# Allegro board XS6-9.brd (continued)
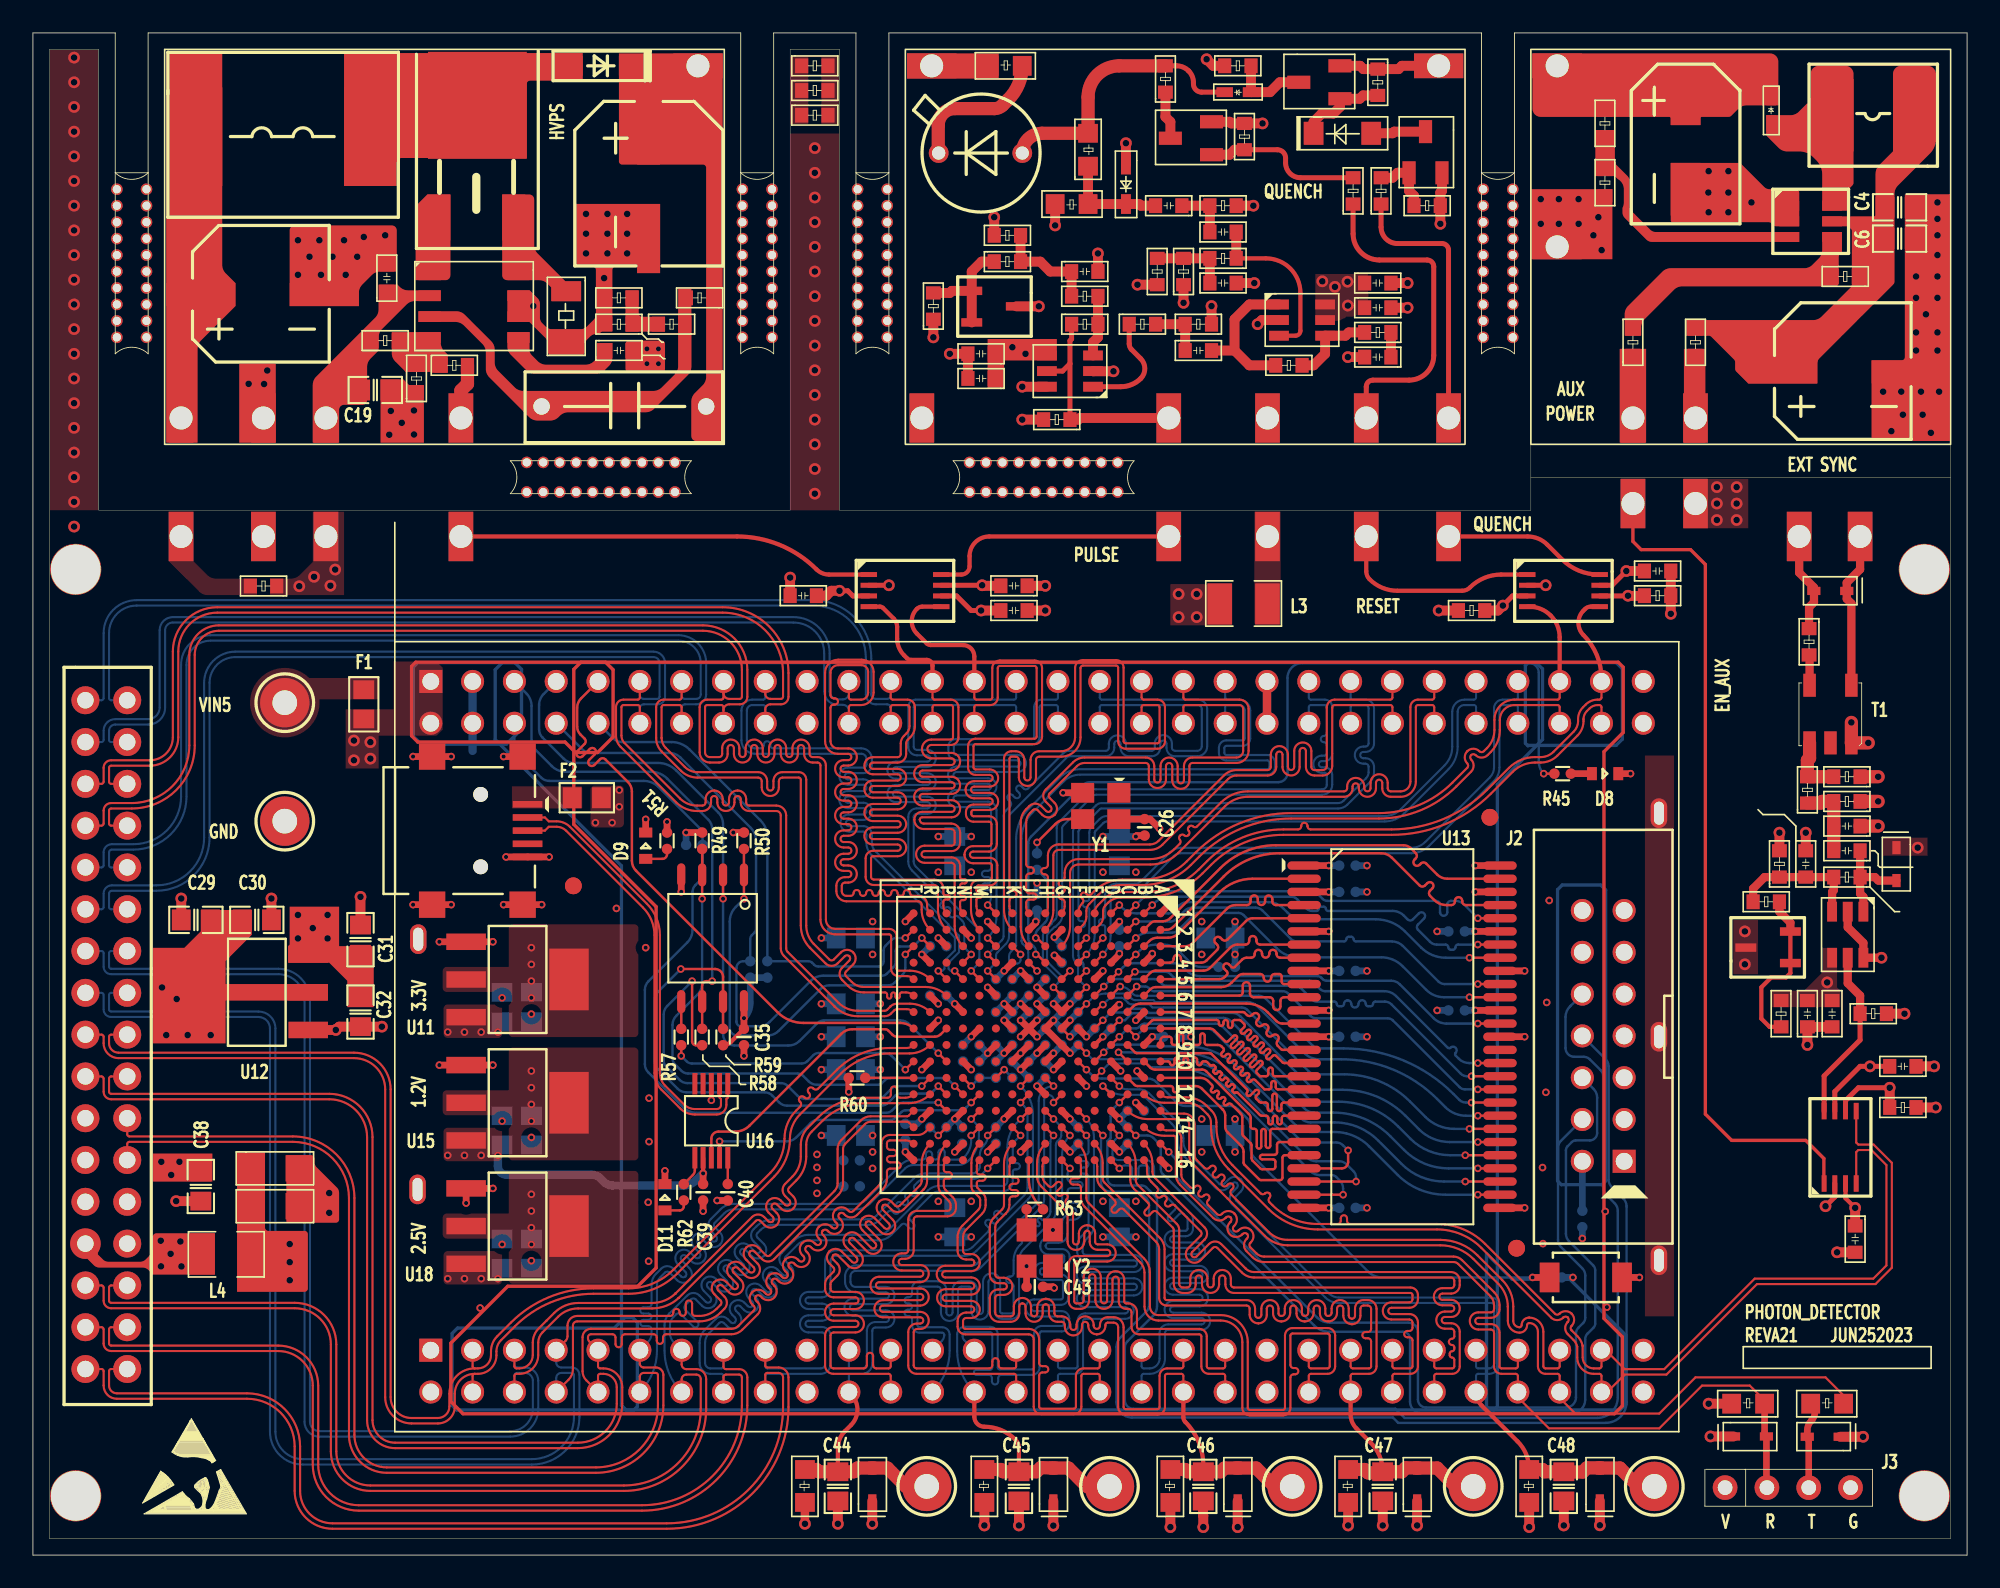
[diagram p0: board, top side]
## Routing (per net, layer and track width the routed paths; a pad name or vN(x,y) marks a point on that pad's centre or on a via; arc(x,y) is an arc through that point) (continued)
L16_L47N_1: length 93.4
  TOP w0.127: J6.13 39.41,11.59 arc(39.49,11.38) 39.7,11.3 40.3,11.3 arc(40.72,11.12) 40.9,10.7 40.9,8.9 arc(39.44,5.36) 35.9,3.9 20.5,3.9 arc(18.8,4.6) 18.1,6.3 18.1,12.8 arc(17.46,14.36) 15.9,15 4.75,15 arc(4.43,15.13) 4.29,15.46 4.29,16.26 arc(4.26,16.35) 4.17,16.39 J5.30
  TOP w0.147: U14.L16 v3(58,23.5)
  BOTTOM w0.127: v3(58,23.5) 57.49,22.99 arc(57.35,22.9) 57.18,22.86 54.23,22.86 arc(53.97,22.81) 53.75,22.67 53.57,22.49 arc(53.52,22.35) 53.57,22.22 53.65,22.14 arc(53.65,21.87) 53.38,21.87 53.3,21.95 arc(53.03,21.95) 53.03,21.68 53.12,21.6 arc(53.12,21.33) 52.85,21.33 52.76,21.41 arc(52.5,21.41) 52.5,21.14 52.58,21.06 arc(52.58,20.79) 52.31,20.79 52.23,20.87 arc(52.09,20.93) 51.96,20.87 51.47,20.38 arc(51.12,20.15) 50.71,20.07 44.96,20.07 arc(44.55,19.99) 44.2,19.75 44.01,19.57 arc(43.96,19.43) 44.01,19.3 44.4,18.91 arc(44.55,18.54) 44.4,18.18 arc(44.03,18.02) 43.66,18.18 43.28,18.56 arc(43.01,18.56) 43.01,18.29 43.39,17.91 arc(43.55,17.54) 43.39,17.17 43.39,17.17 arc(43.02,17.02) 42.66,17.17 42.27,17.56 arc(42,17.56) 42,17.29 42.39,16.9 arc(42.54,16.53) 42.39,16.16 42.39,16.16 arc(42.02,16.01) 41.65,16.16 41.26,16.55 arc(40.99,16.55) 40.99,16.28 41.38,15.89 arc(41.53,15.52) 41.38,15.16 arc(41.01,15) 40.64,15.16 40.26,15.54 arc(40.12,15.6) 39.99,15.54 39.63,15.18 arc(39.57,15.05) 39.63,14.91 40.37,14.16 arc(40.37,13.89) 40.1,13.89 39.36,14.64 arc(39.22,14.7) 39.09,14.64 38.91,14.46 arc(38.75,14.23) 38.7,13.96 38.7,13.49 arc(38.76,13.19) 38.93,12.93 J6.13
M1_L35N_3: length 46.1
  TOP w0.127: J4.27 57.19,52.11 arc(57.23,52.02) 57.32,51.98 58.16,51.98 arc(58.25,52.02) 58.28,52.11 58.28,53.9 arc(58.42,54.23) 58.74,54.36 60.85,54.36 arc(61.17,54.23) 61.3,53.9 61.3,49.74 arc(61.17,49.41) 60.85,49.28 57.27,49.28 arc(57.18,49.24) 57.14,49.15 57.14,47.87 arc(57.18,47.78) 57.27,47.74 58.12,47.74 arc(58.64,47.22) 58.12,46.7 57.18,46.7 arc(57.04,46.64) 56.99,46.51 arc(57.04,46.38) 57.18,46.32 58.12,46.32 arc(58.64,45.8) 58.12,45.28 57.14,45.28 arc(57.05,45.24) 57.01,45.15 57.01,45.02 arc(57.05,44.93) 57.14,44.9 58.08,44.9 arc(58.42,44.76) 58.56,44.41 58.56,43.23 arc(58.42,42.89) 58.08,42.75 57.11,42.75 arc(56.98,42.7) 56.92,42.56 arc(56.98,42.43) 57.11,42.37 58.13,42.37 arc(58.45,42.24) 58.59,41.91 58.59,41.15 arc(58.45,40.83) 58.13,40.69 57.44,40.69 arc(57.35,40.66) 57.32,40.57 57.32,40.4 arc(57.35,40.31) 57.44,40.28 57.54,40.28 arc(57.7,40.12) 57.54,39.96 57.44,39.96 arc(57.35,39.92) 57.32,39.83 57.32,39.44 arc(57.36,39.2) U14.M1
  TOP w0.254: J4.27 57.19,54.61 arc(56.99,55.1) 56.5,55.3 54.54,55.3 arc(54.41,55.33) 54.3,55.4 53.7,56 arc(53.39,56.75) 53.7,57.5 arc(53.85,57.6) 54.03,57.63 U6.5
M2_L35P_3: length 37.3
  TOP w0.127: J4.28 57.19,51.53 arc(57.23,51.62) 57.32,51.65 58.16,51.65 arc(58.48,51.79) 58.61,52.11 58.61,53.9 arc(58.65,53.99) 58.74,54.03 60.85,54.03 arc(60.94,53.99) 60.97,53.9 60.97,49.74 arc(60.94,49.65) 60.85,49.61 57.27,49.61 arc(56.94,49.48) 56.81,49.15 56.81,47.87 arc(56.94,47.55) 57.27,47.41 58.12,47.41 arc(58.31,47.22) 58.12,47.03 57.18,47.03 arc(56.81,46.88) 56.66,46.51 arc(56.81,46.14) 57.18,45.99 58.12,45.99 arc(58.31,45.8) 58.12,45.61 57.14,45.61 arc(56.82,45.47) 56.68,45.15 56.68,45.02 arc(56.82,44.7) 57.14,44.57 58.08,44.57 arc(58.19,44.52) 58.23,44.41 58.23,43.23 arc(58.19,43.13) 58.08,43.08 57.11,43.08 arc(56.75,42.93) 56.59,42.56 arc(56.75,42.19) 57.11,42.04 58.13,42.04 arc(58.22,42) 58.26,41.91 58.26,41.15 arc(58.22,41.06) 58.13,41.02 57.44,41.02 arc(57.12,40.89) 56.99,40.57 56.99,39.24 arc(57.12,38.57) U14.M2
M5_L2P_3: length 37.2
  TOP w0.147: U14.M5 v3(57,35.5)
  BOTTOM w0.127: J4.30 59.73,51.53 arc(59.69,51.62) 59.6,51.65 53.63,51.65 arc(53.54,51.62) 53.51,51.53 53.51,49.12 arc(53.56,48.99) 53.7,48.93 54.33,48.93 arc(54.85,48.41) 54.33,47.89 52.43,47.89 arc(52.24,47.7) 52.43,47.51 54.33,47.51 arc(54.85,46.99) 54.33,46.47 52.43,46.47 arc(52.24,46.28) 52.43,46.09 54.33,46.09 arc(54.85,45.57) 54.33,45.05 53.7,45.05 arc(53.56,44.99) 53.51,44.86 53.51,42.15 arc(53.54,41.98) 53.64,41.83 56.81,38.66 56.81,38.66 57.35,38.12 arc(57.46,37.96) 57.49,37.78 57.49,36.28 arc(57.44,36.02) 57.3,35.8 v3(57,35.5)
M13_L74P_1: length 95.1
  TOP w0.127: J5.21 5.73,25.57 arc(5.77,25.48) 5.86,25.44 15.79,25.44 arc(18.43,24.35) 19.53,21.7 19.53,7.3 arc(20.11,5.91) 21.5,5.33 34.2,5.33 arc(36.87,6.43) 37.97,9.1 37.97,10.94 arc(37.93,11.03) 37.84,11.07 37.1,11.07 arc(36.94,11) 36.87,10.84 J6.12
  TOP w0.147: U14.M13 v3(57,26.5)
  BOTTOM w0.127: v3(57,26.5) 57.3,26.2 arc(57.42,26.01) 57.47,25.79 57.47,25.47 arc(57.31,24.67) 56.86,24 56.83,23.97 arc(56.82,23.96) 56.81,23.95 arc(56.54,23.77) 56.22,23.7 53.48,23.7 arc(53.21,23.65) 52.98,23.49 50.84,21.36 arc(50.46,21.1) 50,21.01 42.56,21.01 arc(42.26,20.95) 42.01,20.78 41.42,20.19 arc(41.37,20.06) 41.42,19.92 41.74,19.6 arc(41.89,19.24) 41.74,18.87 arc(41.37,18.71) 41,18.87 40.68,19.18 arc(40.41,19.18) 40.41,18.92 40.73,18.6 arc(40.88,18.23) 40.73,17.86 40.73,17.86 arc(40.36,17.71) 39.99,17.86 39.68,18.18 arc(39.41,18.18) 39.41,17.91 39.88,17.44 arc(40.03,17.07) 39.88,16.7 39.88,16.7 arc(39.51,16.55) 39.14,16.7 38.67,17.17 arc(38.54,17.23) 38.4,17.17 38.09,16.86 arc(37.96,16.66) 37.91,16.42 37.91,12.42 arc(37.64,11.06) J6.12
M14_L74N_1: length 96
  TOP w0.127: J5.23 5.73,24.98 arc(5.77,25.07) 5.86,25.11 15.79,25.11 arc(18.2,24.11) 19.2,21.7 19.2,7.3 arc(19.87,5.67) 21.5,5 34.2,5 arc(37.1,6.2) 38.3,9.1 38.3,10.94 arc(38.17,11.27) 37.84,11.4 37.1,11.4 arc(36.94,11.47) 36.87,11.63 J6.11
  TOP w0.147: U14.M14 v3(57,25.5)
  BOTTOM w0.127: J6.11 37.37,12.95 arc(37.53,13.18) 37.58,13.47 37.58,13.72 arc(37.53,13.86) 37.39,13.91 37.09,13.91 arc(36.9,14.1) 37.09,14.29 37.39,14.29 arc(37.58,14.49) 37.39,14.68 37.09,14.68 arc(36.9,14.87) 37.09,15.06 37.39,15.06 arc(37.53,15.11) 37.58,15.25 37.58,16.42 arc(37.65,16.79) 37.86,17.1 38.17,17.41 arc(38.54,17.56) 38.9,17.41 39.37,16.94 arc(39.51,16.88) 39.64,16.94 arc(39.7,17.07) 39.64,17.21 39.17,17.68 arc(39.17,18.41) 39.91,18.41 40.23,18.09 arc(40.36,18.04) 40.5,18.09 40.5,18.1 arc(40.55,18.23) 40.5,18.36 40.18,18.68 arc(40.18,19.42) 40.92,19.42 41.23,19.1 arc(41.37,19.05) 41.5,19.1 arc(41.56,19.24) 41.5,19.37 41.19,19.69 arc(41.04,20.06) 41.19,20.42 41.78,21.02 arc(42.14,21.26) 42.56,21.34 50,21.34 arc(50.33,21.41) 50.61,21.59 52.74,23.73 arc(53.08,23.95) 53.48,24.03 54.06,24.03 arc(54.19,24.09) 54.25,24.22 54.25,24.35 arc(54.44,24.54) 54.63,24.35 54.63,24.22 arc(54.82,24.03) 55.01,24.22 55.01,24.48 arc(55.2,24.67) 55.39,24.48 55.39,24.22 arc(55.45,24.09) 55.58,24.03 56.22,24.03 arc(56.41,24.07) 56.58,24.18 arc(56.59,24.19) 56.59,24.2 arc(56.89,24.66) 57,25.2 v3(57,25.5)
M15_L46P_1: length 37.9
  TOP w0.127: J6.34 64.81,10.89 arc(64.77,10.98) 64.68,11.01 63.82,11.01 arc(63.73,10.98) 63.69,10.89 63.69,9.02 arc(63.56,8.7) 63.24,8.56 61.25,8.56 arc(60.93,8.7) 60.8,9.02 60.8,13.11 arc(60.71,13.33) 60.49,13.42 56.65,13.42 arc(56.31,13.55) 56.17,13.89 56.17,14.22 arc(56.33,14.59) 56.69,14.74 57,14.74 arc(57.19,14.93) 57,15.12 55.45,15.12 arc(54.93,15.64) 55.45,16.16 57,16.16 arc(57.19,16.35) 57,16.54 55.42,16.54 arc(54.9,17.06) 55.42,17.58 57,17.58 arc(57.13,17.64) 57.19,17.77 57.19,17.79 arc(57.14,17.91) 57.01,17.96 56.69,17.96 arc(56.33,18.12) 56.17,18.48 56.17,19.3 arc(56.25,19.69) 56.47,20.02 57.43,20.98 arc(57.51,21.11) 57.55,21.26 57.55,21.59 arc(57.53,21.68) 57.48,21.75 57.15,22.08 arc(57.05,22.23) 57.01,22.41 57.01,23.82 arc(57.14,24.46) U14.M15
M16_L46N_1: length 37.9
  TOP w0.127: J6.33 64.81,11.47 arc(64.77,11.38) 64.68,11.34 63.82,11.34 arc(63.5,11.21) 63.36,10.89 63.36,9.02 arc(63.33,8.93) 63.24,8.89 61.25,8.89 arc(61.16,8.93) 61.13,9.02 61.13,10.91 arc(61.18,11.04) 61.32,11.1 61.5,11.1 arc(61.69,11.29) 61.5,11.48 61.32,11.48 arc(61.18,11.54) 61.13,11.67 61.13,13.11 arc(60.94,13.56) 60.49,13.75 56.65,13.75 arc(56.55,13.79) 56.5,13.89 56.5,14.22 arc(56.56,14.35) 56.69,14.41 57,14.41 arc(57.52,14.93) 57,15.45 55.45,15.45 arc(55.26,15.64) 55.45,15.83 57,15.83 arc(57.52,16.35) 57,16.87 55.42,16.87 arc(55.23,17.06) 55.42,17.25 57,17.25 arc(57.37,17.4) 57.52,17.77 57.52,17.79 arc(57.37,18.15) 57.01,18.29 56.69,18.29 arc(56.56,18.35) 56.5,18.48 56.5,19.3 arc(56.56,19.57) 56.71,19.79 57.66,20.74 arc(57.82,20.98) 57.88,21.26 57.88,21.59 arc(57.83,21.81) 57.71,21.98 57.38,22.32 arc(57.35,22.36) 57.34,22.41 57.34,22.61 arc(57.38,22.71) 57.48,22.75 57.69,22.75 arc(57.88,22.94) 57.69,23.13 57.48,23.13 arc(57.38,23.17) 57.34,23.27 57.34,23.65 arc(57.38,23.83) 57.48,23.98 U14.M16
MSEL0: length 2.9
  TOP w0.147: R60.1 U14.T11
MSEL1: length 2.4
  TOP w0.147: U14.N11 v3(57,28.5)
  BOTTOM w0.147: R78.2 R77.1 v3(57,28.5)
N3_L34P_3: length 37.3
  TOP w0.127: J4.26 54.65,51.53 arc(54.69,51.62) 54.78,51.65 55.77,51.65 arc(55.86,51.62) 55.89,51.53 55.89,49.69 arc(55.86,49.6) 55.77,49.56 54.58,49.56 arc(54.01,48.99) 54.58,48.42 55.8,48.42 arc(55.94,48.36) 56,48.22 arc(55.93,48.07) 55.78,48.01 54.05,48.01 arc(53.53,47.49) 54.05,46.97 55.81,46.97 arc(56,46.78) 55.81,46.59 54.05,46.59 arc(53.53,46.07) 54.05,45.54 55.81,45.54 arc(56,45.35) 55.81,45.16 54.01,45.16 arc(53.68,45.03) 53.55,44.69 arc(53.71,44.29) 54.12,44.12 55.78,44.12 arc(55.93,44.06) 56,43.91 56,43.3 arc(55.94,43.17) 55.81,43.11 54.17,43.11 arc(53.65,42.59) 54.17,42.07 55.81,42.07 arc(55.94,42.01) 56,41.88 56,38.22 arc(56.13,37.56) U14.N3
N4_L2N_3: length 37.2
  TOP w0.147: U14.N4 v3(57,36.5)
  BOTTOM w0.127: v3(57,36.5) 56.77,36.73 arc(56.63,36.94) 56.58,37.19 56.58,38.24 arc(56.55,38.41) 56.45,38.56 56.21,38.8 arc(56.09,38.85) 55.97,38.8 arc(55.85,38.75) 55.74,38.8 55.7,38.83 arc(55.65,38.95) 55.7,39.07 arc(55.75,39.18) 55.7,39.3 55.67,39.34 arc(55.55,39.38) 55.43,39.34 arc(55.31,39.29) 55.2,39.34 55.16,39.37 arc(55.11,39.49) 55.16,39.61 arc(55.21,39.72) 55.16,39.84 53.41,41.6 arc(53.24,41.85) 53.18,42.15 53.18,44.86 arc(53.33,45.22) 53.7,45.38 54.33,45.38 arc(54.52,45.57) 54.33,45.76 52.43,45.76 arc(51.91,46.28) 52.43,46.8 54.33,46.8 arc(54.52,46.99) 54.33,47.18 52.43,47.18 arc(51.91,47.7) 52.43,48.22 54.33,48.22 arc(54.52,48.41) 54.33,48.6 53.7,48.6 arc(53.33,48.75) 53.18,49.12 53.18,51.53 arc(53.31,51.85) 53.63,51.98 59.6,51.98 arc(59.69,52.02) 59.73,52.11 J4.29
N5_L49P_2: length 95
  TOP w0.127: J4.18 44.49,51.39 arc(44.58,51.61) 44.8,51.7 45.44,51.7 arc(45.77,51.83) 45.9,52.16 45.9,53.6 arc(44.73,56.43) 41.9,57.6 11.2,57.6 arc(9.29,56.81) 8.5,54.9 8.5,49.7 arc(8.09,48.71) 7.1,48.3 4.75,48.3 arc(4.43,48.17) 4.29,47.84 4.29,46.99 arc(4.26,46.9) 4.17,46.87 J5.6
  TOP w0.147: U14.N5 v3(56,35.5)
  BOTTOM w0.127: v3(56,35.5) 55.75,35.5 55.63,35.63 55.63,36 56.26,36.64 56.26,37.64 55.62,38.28 55.62,38.33 51.17,42.78 arc(51.02,43) 50.97,43.27 50.97,43.78 arc(50.81,44.14) 50.45,44.3 49.58,44.3 arc(49.39,44.49) 49.58,44.68 50.45,44.68 arc(50.97,45.2) 50.45,45.72 49.51,45.72 arc(49.32,45.91) 49.51,46.1 50.45,46.1 arc(50.97,46.62) 50.45,47.14 49.51,47.14 arc(49.32,47.33) 49.51,47.52 50.45,47.52 arc(50.81,47.67) 50.97,48.04 50.97,48.38 arc(50.78,48.84) 50.32,49.03 44.98,49.03 arc(44.85,49.08) 44.79,49.22 44.79,49.27 arc(44.6,49.46) 44.41,49.27 44.41,49.22 arc(44.35,49.08) 44.22,49.03 43.86,49.03 arc(43.51,49.17) 43.37,49.51 43.37,51.32 arc(43.47,51.56) 43.71,51.65 44.36,51.65 arc(44.45,51.62) 44.49,51.53 J4.18
N12_IO_MISO2_2: length 32.2
  TOP w0.147: U14.N12 v3(56,28.5) ; v3(40.66,39.88) U9.3 R49.1
  BOTTOM w0.147: v3(40.66,39.88) 40.66,34.76 arc(40.58,34.38) 40.36,34.05 39.09,32.78 arc(38.91,32.52) 38.85,32.2 38.85,30.17 arc(38.89,29.99) 38.99,29.84 39.4,29.43 arc(39.58,29.31) 39.8,29.26 46.45,29.26 arc(46.63,29.23) 46.79,29.13 47.12,28.79 arc(47.36,28.64) 47.64,28.58 51.37,28.58 arc(51.47,28.6) 51.55,28.66 51.75,28.86 arc(51.9,28.95) 52.06,28.99 55.23,28.99 arc(55.49,28.93) 55.72,28.78 v3(56,28.5)
P1_L33N_3: length 96.7
  TOP w0.127: J4.23 52.11,52.11 arc(52.15,52.02) 52.24,51.98 53.13,51.98 arc(53.45,51.85) 53.58,51.53 53.58,50.38 arc(53.51,50.01) 53.3,49.7 53.14,49.54 arc(53.07,49.44) 53.05,49.32 53.05,48.68 arc(52.9,48.31) 52.53,48.16 51.03,48.16 arc(50.84,47.97) 51.03,47.78 52.53,47.78 arc(53.05,47.26) 52.53,46.74 51.03,46.74 arc(50.84,46.55) 51.03,46.36 52.53,46.36 arc(53.05,45.83) 52.53,45.31 51.03,45.31 arc(50.84,45.12) 51.03,44.93 52.53,44.93 arc(53.05,44.41) 52.53,43.89 51.03,43.89 arc(50.84,43.7) 51.03,43.51 52.53,43.51 arc(53.05,42.99) 52.53,42.47 51.04,42.47 arc(50.95,42.43) 50.92,42.34 50.92,41.21 arc(50.96,41.1) 51.08,41.05 54.75,41.05 arc(55.15,40.89) 55.31,40.49 55.31,40.22 arc(55.35,40.13) 55.44,40.09 55.59,40.09 arc(55.72,39.97) 55.59,39.84 55.44,39.84 arc(55.35,39.8) 55.31,39.71 55.31,39.46 arc(55.36,39.21) U14.P1
  BOTTOM w0.127: J4.23 52.11,52.24 arc(52.05,52.09) 51.9,52.03 51.2,52.03 arc(51.01,52.11) 50.93,52.3 50.93,54.5 arc(49.9,57) 47.4,58.03 6.3,58.03 arc(4.88,57.44) 4.29,56.02 4.29,52.07 arc(4.26,51.98) 4.17,51.95 J5.2
P2_L33P_3: length 96.3
  TOP w0.127: J4.24 52.11,51.53 arc(52.15,51.62) 52.24,51.65 53.13,51.65 arc(53.22,51.62) 53.25,51.53 53.25,50.38 arc(53.2,50.14) 53.07,49.93 52.91,49.77 arc(52.77,49.56) 52.72,49.32 52.72,48.68 arc(52.66,48.54) 52.53,48.49 51.03,48.49 arc(50.51,47.97) 51.03,47.45 52.53,47.45 arc(52.72,47.26) 52.53,47.07 51.03,47.07 arc(50.51,46.55) 51.03,46.03 52.53,46.03 arc(52.72,45.83) 52.53,45.64 51.03,45.64 arc(50.51,45.12) 51.03,44.6 52.53,44.6 arc(52.72,44.41) 52.53,44.22 51.03,44.22 arc(50.51,43.7) 51.03,43.18 52.53,43.18 arc(52.72,42.99) 52.53,42.8 51.04,42.8 arc(50.72,42.67) 50.59,42.34 50.59,41.21 arc(50.73,40.86) 51.08,40.72 54.75,40.72 arc(54.91,40.65) 54.98,40.49 54.98,39.26 arc(55.12,38.58) U14.P2
  BOTTOM w0.127: J5.1 4.75,51.95 arc(4.66,51.98) 4.62,52.07 4.62,56.02 arc(5.12,57.21) 6.3,57.7 47.4,57.7 arc(49.66,56.76) 50.6,54.5 50.6,52.3 arc(50.78,51.88) 51.2,51.7 51.9,51.7 arc(52.05,51.64) 52.11,51.49 J4.24
P5_L49N_2: length 93.4
  TOP w0.127: J4.17 44.49,52.34 arc(44.58,52.12) 44.8,52.03 45.44,52.03 arc(45.53,52.07) 45.57,52.16 45.57,53.6 arc(44.49,56.19) 41.9,57.27 11.2,57.27 arc(9.52,56.58) 8.83,54.9 8.83,49.7 arc(8.32,48.48) 7.1,47.97 4.75,47.97 arc(4.66,47.93) 4.62,47.84 4.62,46.99 arc(4.66,46.9) 4.75,46.87 J5.5
  TOP w0.147: U14.P5 v3(55,35.5)
  BOTTOM w0.127: v3(55,35.5) 55.25,35.5 55.37,35.63 55.37,36.11 56.01,36.74 56.01,37.53 55.44,38.1 55.38,38.1 50.94,42.55 arc(50.71,42.88) 50.64,43.27 50.64,43.78 arc(50.58,43.91) 50.45,43.97 49.58,43.97 arc(49.06,44.49) 49.58,45.01 50.45,45.01 arc(50.64,45.2) 50.45,45.39 49.51,45.39 arc(48.99,45.91) 49.51,46.43 50.45,46.43 arc(50.64,46.62) 50.45,46.81 49.51,46.81 arc(48.99,47.33) 49.51,47.85 50.45,47.85 arc(50.58,47.91) 50.64,48.04 50.64,48.38 arc(50.54,48.6) 50.32,48.7 43.86,48.7 arc(43.28,48.93) 43.04,49.51 43.04,51.32 arc(43.24,51.79) 43.71,51.98 44.36,51.98 arc(44.45,52.02) 44.49,52.11 J4.17
P6_L47P_2: length 92.6
  TOP w0.127: J4.14 39.41,51.53 arc(39.37,51.62) 39.28,51.65 38.32,51.65 arc(38.23,51.62) 38.19,51.53 38.19,49.66 38.19,49.66 arc(38.26,49.33) 38.44,49.06 39.6,47.9 arc(39.95,47.66) 40.37,47.58 44.06,47.58 arc(44.44,47.42) 44.6,47.03 44.6,46.65 arc(44.79,46.46) 44.99,46.65 44.99,47.03 arc(45.15,47.42) 45.53,47.58 46.52,47.58 arc(46.85,47.44) 46.98,47.12 46.98,38.26 arc(47.1,37.66) 47.43,37.15 48.38,36.19 arc(48.52,36.14) 48.65,36.19 49.09,36.63 arc(49.46,36.78) 49.83,36.63 arc(49.98,36.26) 49.83,35.89 49.39,35.45 arc(49.33,35.32) 49.39,35.19 49.75,34.83 arc(50.09,34.6) 50.48,34.52 54.24,34.52 arc(54.92,34.39) U14.P6
  BOTTOM w0.127: J5.10 4.17,41.79 arc(4.26,41.82) 4.29,41.91 4.29,42.7 arc(4.44,43.05) 4.79,43.2 6.1,43.2 arc(8.15,44.05) 9,46.1 9,54.1 arc(9.53,55.37) 10.8,55.9 39.2,55.9 arc(40.4,55.4) 40.9,54.2 40.9,52.3 arc(40.72,51.88) 40.3,51.7 39.6,51.7 arc(39.47,51.64) 39.41,51.51 J4.14
P10_IO_DIN_MISO1_2: length 46.8
  TOP w0.147: U9.2 v3(41.93,39.88) ; U14.P10 v3(55,30.5)
  BOTTOM w0.147: v3(55,30.5) 53.22,32.28 arc(52.99,32.44) 52.71,32.49 48.05,32.49 arc(47.84,32.45) 47.65,32.33 46.57,31.25 arc(46.26,31.04) 45.9,30.97 42.61,30.97 arc(42.13,31.17) 41.93,31.65 v3(41.93,39.88) 41.93,44.42 arc(41.85,44.8) 41.63,45.13 39.08,47.68 arc(38.57,48.02) 37.98,48.14 32.88,48.14 arc(32.53,48.21) 32.23,48.4 30.95,49.69 arc(30.8,49.91) 30.75,50.18 30.75,51.65 arc(30.82,52.02) 31.03,52.33 J4.7
P12_IO_MISO3_2: length 31.8
  TOP w0.147: R59.1 U9.7 41.93,35.13 arc(41.78,35.47) 41.44,35.61 v3(39.36,35.61) ; U14.P12 v3(55,28.5)
  BOTTOM w0.147: v3(39.36,35.61) 38,34.26 arc(37.82,33.99) 37.76,33.67 37.76,30.03 arc(37.81,29.77) 37.96,29.54 39.17,28.34 arc(39.41,28.18) 39.69,28.12 44.45,28.12 arc(44.7,28.07) 44.91,27.93 45.33,27.51 arc(45.55,27.36) 45.82,27.31 51.53,27.31 arc(51.76,27.36) 51.96,27.49 52.39,27.92 arc(52.53,28.01) 52.7,28.05 54.33,28.05 arc(54.53,28.09) 54.7,28.2 v3(55,28.5)
P15_L48P_1: length 37.9
  TOP w0.127: J6.30 59.73,10.89 arc(59.69,10.98) 59.6,11.01 53.68,11.01 arc(53.33,11.16) 53.18,11.52 53.18,13.55 arc(53.33,13.92) 53.7,14.07 53.9,14.07 arc(54.09,14.26) 53.9,14.45 51.64,14.45 arc(51.12,14.97) 51.64,15.49 53.9,15.49 arc(54.09,15.68) 53.9,15.87 51.4,15.87 arc(50.88,16.39) 51.4,16.91 53.9,16.91 arc(54.09,17.1) 53.9,17.29 52.78,17.29 arc(52.26,17.82) 52.78,18.34 52.99,18.34 arc(53.12,18.39) 53.18,18.53 53.18,20.38 arc(53.33,20.76) 53.71,20.92 55.56,20.92 arc(55.69,20.97) 55.75,21.11 55.75,21.26 arc(55.72,21.4) 55.64,21.52 55.22,21.94 arc(55.06,22.18) 55.01,22.46 55.01,23.81 arc(55.13,24.45) U14.P15
P16_L48N_1: length 37.9
  TOP w0.127: U14.P16 55.45,23.95 arc(55.36,23.82) 55.34,23.68 55.34,23.42 arc(55.38,23.32) 55.49,23.27 55.64,23.27 arc(55.78,23.21) 55.83,23.08 arc(55.78,22.95) 55.64,22.89 55.49,22.89 arc(55.38,22.84) 55.34,22.74 55.34,22.46 arc(55.37,22.3) 55.45,22.17 55.88,21.75 arc(56.03,21.53) 56.08,21.26 56.08,21.11 arc(55.92,20.74) 55.56,20.59 53.71,20.59 arc(53.57,20.53) 53.51,20.38 53.51,18.53 arc(53.35,18.16) 52.99,18.01 52.78,18.01 arc(52.59,17.82) 52.78,17.62 53.9,17.62 arc(54.42,17.1) 53.9,16.58 51.4,16.58 arc(51.21,16.39) 51.4,16.2 53.9,16.2 arc(54.42,15.68) 53.9,15.16 51.64,15.16 arc(51.45,14.97) 51.64,14.78 53.9,14.78 arc(54.42,14.26) 53.9,13.74 53.7,13.74 arc(53.56,13.68) 53.51,13.55 53.51,11.52 arc(53.56,11.4) 53.68,11.34 58.09,11.34 arc(58.23,11.4) 58.28,11.54 58.28,11.78 arc(58.47,11.97) 58.67,11.78 58.67,11.54 arc(58.72,11.4) 58.86,11.34 59.6,11.34 arc(59.69,11.38) 59.73,11.47 J6.29
PROGRAM_B_2: length 31.3
  TOP w0.147: U14.T2 v3(53,37.5)
  BOTTOM w0.147: J4.10 35.26,49.62 arc(35.5,49.46) 35.78,49.41 38.8,49.41 arc(39.39,49.29) 39.88,48.96 44.15,44.7 44.2,44.64 arc(44.51,44.18) 44.62,43.64 R74.1 47.11,36.09 arc(47.23,36.07) 47.33,36 47.46,35.87 arc(47.57,35.79) 47.71,35.77 51.37,35.77 arc(51.59,35.86) 51.68,36.07 51.68,36.75 arc(51.71,36.9) 51.79,37.02 52.14,37.37 arc(52.28,37.47) 52.46,37.5 v3(53,37.5)
PULSE: length 13.5
  TOP w0.3: R30.1 63.1,73.9 63,73.8 63,72.4 ; 63,72.4 62.55,71.95 U5.5 ; 63,72.4 R40.1
  TOP w0.6: TP11.1 63.6,69.1 63.5,69 R40.1
PULSE_IN: length 15.4
  TOP w0.254: TP23.1 58.1,61.9 arc(57.25,61.55) 56.9,60.7 56.9,60.08 arc(56.75,59.73) 56.4,59.58 55.18,59.58
QUENCH_VOLTAGE_DOWN: length 16.5
  TOP w0.3: R13.1 81.9,80.7 arc(82.19,79.99) 82.9,79.7 85.6,79.7 arc(85.88,79.58) 86,79.3 TP14.1
QUENCH_VOLTAGE_DWN_OUT: length 9.9
  TOP w0.254: 95.18,59.58 95.11,59.58 arc(93.91,59.82) 92.9,60.5 92,61.4 arc(91.45,61.77) 90.8,61.9 TP26.1
R1_L32N_3: length 95
  TOP w0.127: U14.R1 54.49,39.01 arc(54.36,39.2) 54.32,39.42 54.32,39.53 arc(54.17,39.91) 53.79,40.06 53.46,40.06 arc(53.34,40.11) 53.29,40.24 arc(53.23,40.36) 53.11,40.42 53.08,40.42 arc(52.96,40.36) 52.9,40.24 arc(52.85,40.11) 52.73,40.06 52.7,40.06 arc(52.58,40.11) 52.52,40.24 arc(52.47,40.36) 52.35,40.42 52.32,40.42 arc(52.19,40.36) 52.14,40.24 arc(52.09,40.11) 51.96,40.06 51.94,40.06 arc(51.81,40.11) 51.76,40.24 arc(51.71,40.36) 51.58,40.42 51.56,40.42 arc(51.43,40.36) 51.38,40.24 arc(51.33,40.11) 51.2,40.06 51.18,40.06 arc(51.05,40.11) 51,40.24 arc(50.95,40.36) 50.82,40.42 50.8,40.42 arc(50.67,40.36) 50.62,40.24 arc(50.57,40.11) 50.44,40.06 50.42,40.06 arc(50.29,40.11) 50.24,40.24 arc(50.19,40.36) 50.06,40.42 50.03,40.42 arc(49.91,40.36) 49.86,40.24 arc(49.8,40.11) 49.68,40.06 49.43,40.06 arc(49.22,40.14) 49.14,40.35 49.14,40.68 arc(49.19,40.81) 49.33,40.87 49.53,40.87 arc(50.05,41.39) 49.53,41.91 49.25,41.91 arc(49.06,42.1) 49.25,42.29 49.53,42.29 arc(50.05,42.81) 49.53,43.33 49.25,43.33 arc(49.06,43.52) 49.25,43.71 49.53,43.71 arc(50.05,44.23) 49.53,44.75 49.25,44.75 arc(49.06,44.94) 49.25,45.13 49.53,45.13 arc(50.05,45.65) 49.53,46.17 49.25,46.17 arc(49.06,46.37) 49.25,46.56 49.53,46.56 arc(50.05,47.08) 49.53,47.6 49.25,47.6 arc(49.06,47.79) 49.25,47.98 49.53,47.98 arc(50.05,48.5) 49.53,49.02 48.9,49.02 arc(48.58,49.15) 48.45,49.46 48.45,51.49 arc(48.51,51.63) 48.64,51.68 48.72,51.68 arc(48.91,51.87) 48.72,52.06 48.64,52.06 arc(48.51,52.12) 48.45,52.25 48.45,53.61 arc(48.59,53.94) 48.92,54.08 50.33,54.08 arc(50.62,53.96) 50.74,53.67 50.74,52.41 arc(50.61,52.11) 50.31,51.98 49.7,51.98 arc(49.61,52.02) 49.57,52.11 J4.21
  BOTTOM w0.127: J5.4 4.17,49.41 arc(4.26,49.44) 4.29,49.53 4.29,50.09 arc(4.5,50.59) 5,50.8 7,50.8 arc(7.49,51.01) 7.7,51.5 7.7,56.2 arc(7.93,56.77) 8.5,57 46.2,57 arc(47.76,56.36) 48.4,54.8 48.4,52.5 arc(48.55,52.15) 48.9,52 49.2,52 arc(49.46,52.11) 49.57,52.37 J4.21
R2_L32P_3: length 94.6
  TOP w0.127: J4.22 49.57,51.53 arc(49.61,51.62) 49.7,51.65 50.31,51.65 arc(50.85,51.88) 51.07,52.41 51.07,53.67 arc(50.85,54.19) 50.33,54.41 48.92,54.41 arc(48.36,54.18) 48.12,53.61 48.12,49.46 arc(48.35,48.92) 48.9,48.69 49.53,48.69 arc(49.72,48.5) 49.53,48.31 49.25,48.31 arc(48.73,47.79) 49.25,47.27 49.53,47.27 arc(49.72,47.08) 49.53,46.89 49.25,46.89 arc(48.73,46.37) 49.25,45.84 49.53,45.84 arc(49.72,45.65) 49.53,45.46 49.25,45.46 arc(48.73,44.94) 49.25,44.42 49.53,44.42 arc(49.72,44.23) 49.53,44.04 49.25,44.04 arc(48.73,43.52) 49.25,43 49.53,43 arc(49.72,42.81) 49.53,42.62 49.25,42.62 arc(48.73,42.1) 49.25,41.58 49.53,41.58 arc(49.72,41.39) 49.53,41.2 49.33,41.2 arc(48.96,41.04) 48.81,40.68 48.81,40.35 arc(48.99,39.91) 49.43,39.73 53.79,39.73 arc(53.93,39.67) 53.99,39.53 53.99,39.23 arc(54.12,38.57) U14.R2
  BOTTOM w0.127: J5.3 4.75,49.41 arc(4.66,49.44) 4.62,49.53 4.62,50.09 arc(4.73,50.36) 5,50.47 7,50.47 arc(7.73,50.77) 8.03,51.5 8.03,56.2 arc(8.17,56.53) 8.5,56.67 46.2,56.67 arc(47.52,56.12) 48.07,54.8 48.07,52.5 arc(48.31,51.91) 48.9,51.67 49.2,51.67 arc(49.46,51.56) 49.57,51.3 J4.22
R3_IO_INIT_B_2: length 41.8
  TOP w0.147: U14.R3 v3(54,37.5)
  BOTTOM w0.147: J4.8 33.35,48.99 arc(33.62,48.81) 33.93,48.75 38.64,48.75 arc(39.02,48.67) 39.35,48.45 43.6,44.2 arc(43.85,43.83) 43.93,43.4 43.93,38.07 arc(43.9,37.94) 43.83,37.82 43.68,37.67 arc(43.6,37.56) 43.58,37.43 R75.1 43.16,36.09 arc(42.86,35.97) 42.74,35.67 42.74,32.41 arc(42.82,32.22) 43.02,32.13 44.13,32.13 arc(44.46,32.2) 44.74,32.39 47.25,34.89 arc(47.6,35.13) 48.01,35.21 51.59,35.21 arc(51.74,35.24) 51.87,35.32 52.28,35.73 arc(52.38,35.88) 52.41,36.07 52.41,36.71 arc(52.5,36.9) 52.69,36.99 53.29,36.99 arc(53.47,37.02) 53.62,37.12 v3(54,37.5)
R5_L48P_2: length 92.3
  TOP w0.127: J5.8 4.17,44.33 arc(4.26,44.36) 4.29,44.45 4.29,45.24 arc(4.43,45.57) 4.75,45.7 6,45.7 arc(8.47,46.73) 9.5,49.2 9.5,54.7 arc(10.03,55.97) 11.3,56.5 40.7,56.5 arc(42.61,55.71) 43.4,53.8 43.4,52.16 arc(43.27,51.83) 42.94,51.7 42.3,51.7 arc(42.05,51.6) 41.95,51.35 ; 41.95,51.35 J4.16 ; 41.95,51.35 41.95,51.53 arc(41.91,51.62) 41.82,51.65 40.96,51.65 arc(40.87,51.62) 40.83,51.53 40.83,48.78 arc(40.92,48.58) 41.12,48.49 41.68,48.49 arc(41.82,48.55) 41.87,48.68 41.87,49.04 arc(42.39,49.56) 42.91,49.04 42.91,48.68 arc(43.1,48.49) 43.3,48.68 43.3,49.04 arc(43.82,49.56) 44.34,49.04 44.34,48.68 arc(44.53,48.49) 44.72,48.68 44.72,49.04 arc(45.24,49.56) 45.76,49.04 45.76,48.68 arc(45.95,48.49) 46.14,48.68 46.14,49.04 arc(46.66,49.56) 47.18,49.04 47.18,48.68 arc(47.24,48.55) 47.37,48.49 47.66,48.49 arc(48.02,48.34) 48.17,47.98 48.17,38.62 arc(48.34,38.22) 48.74,38.05 52.01,38.05 arc(52.33,37.92) 52.47,37.6 52.47,35.64 arc(52.5,35.55) 52.59,35.51 53.26,35.51 arc(53.93,35.38) U14.R5
R7_L32P_GCLK29_2: length 91.1
  TOP w0.127: J4.12 36.87,51.53 arc(36.83,51.62) 36.74,51.65 35.88,51.65 arc(35.79,51.62) 35.75,51.53 35.75,49.8 arc(35.8,49.55) 35.94,49.35 39.31,45.98 arc(39.79,45.66) 40.35,45.55 40.67,45.55 arc(40.81,45.6) 40.86,45.74 40.86,45.94 arc(41.02,46.31) 41.39,46.46 arc(41.75,46.31) 41.91,45.94 41.91,45.74 arc(42.1,45.55) 42.29,45.74 42.29,45.94 arc(42.44,46.31) 42.81,46.46 arc(43.18,46.31) 43.33,45.94 43.33,45.74 arc(43.38,45.6) 43.52,45.55 45.16,45.55 arc(45.58,45.37) 45.76,44.95 45.76,36.88 arc(45.78,36.75) 45.85,36.65 48.94,33.57 arc(49.48,33.2) 50.12,33.08 51.74,33.08 arc(51.82,33.09) 51.89,33.14 52.1,33.34 52.1,33.34 arc(52.28,33.46) 52.5,33.51 53.28,33.51 arc(53.94,33.37) U14.R7
  BOTTOM w0.127: J5.12 4.17,39.25 arc(4.26,39.28) 4.29,39.37 4.29,40.2 arc(4.44,40.55) 4.79,40.7 7.5,40.7 arc(9.55,41.55) 10.4,43.6 10.4,53 arc(10.96,54.34) 12.3,54.9 37.7,54.9 arc(38.19,54.69) 38.4,54.2 38.4,52.16 arc(38.27,51.83) 37.94,51.7 37.1,51.7 arc(36.94,51.63) 36.87,51.47 J4.12
R9_L23P_2: length 85.4
  TOP w0.127: J6.4 26.71,10.89 arc(26.75,10.98) 26.84,11.01 ; J5.18 4.17,31.63 arc(4.26,31.59) 4.29,31.5 4.29,31.11 arc(4.56,30.47) 5.2,30.2 19.5,30.2 arc(20.84,29.64) 21.4,28.3 21.4,9.6 arc(21.87,8.47) 23,8 24.6,8 arc(25.33,8.3) 25.63,9.03 25.63,9.81 arc(25.98,10.66) 26.84,11.01 ; 26.84,11.01 27.03,11.01 arc(27.83,11.34) 28.16,12.14 28.16,12.38 arc(28.23,12.75) 28.44,13.06 29.27,13.9 arc(31.47,15.36) 34.06,15.88 36.18,15.88 arc(37.78,16.2) 39.13,17.1 45.04,23 arc(45.74,24.06) 45.99,25.3 arc(46.15,26.1) 46.6,26.78 49.08,29.26 arc(50.44,30.17) 52.03,30.48 53.26,30.48 arc(53.93,30.62) U14.R9